# KiCad board aquarius-plus.kicad_pcb (continued)
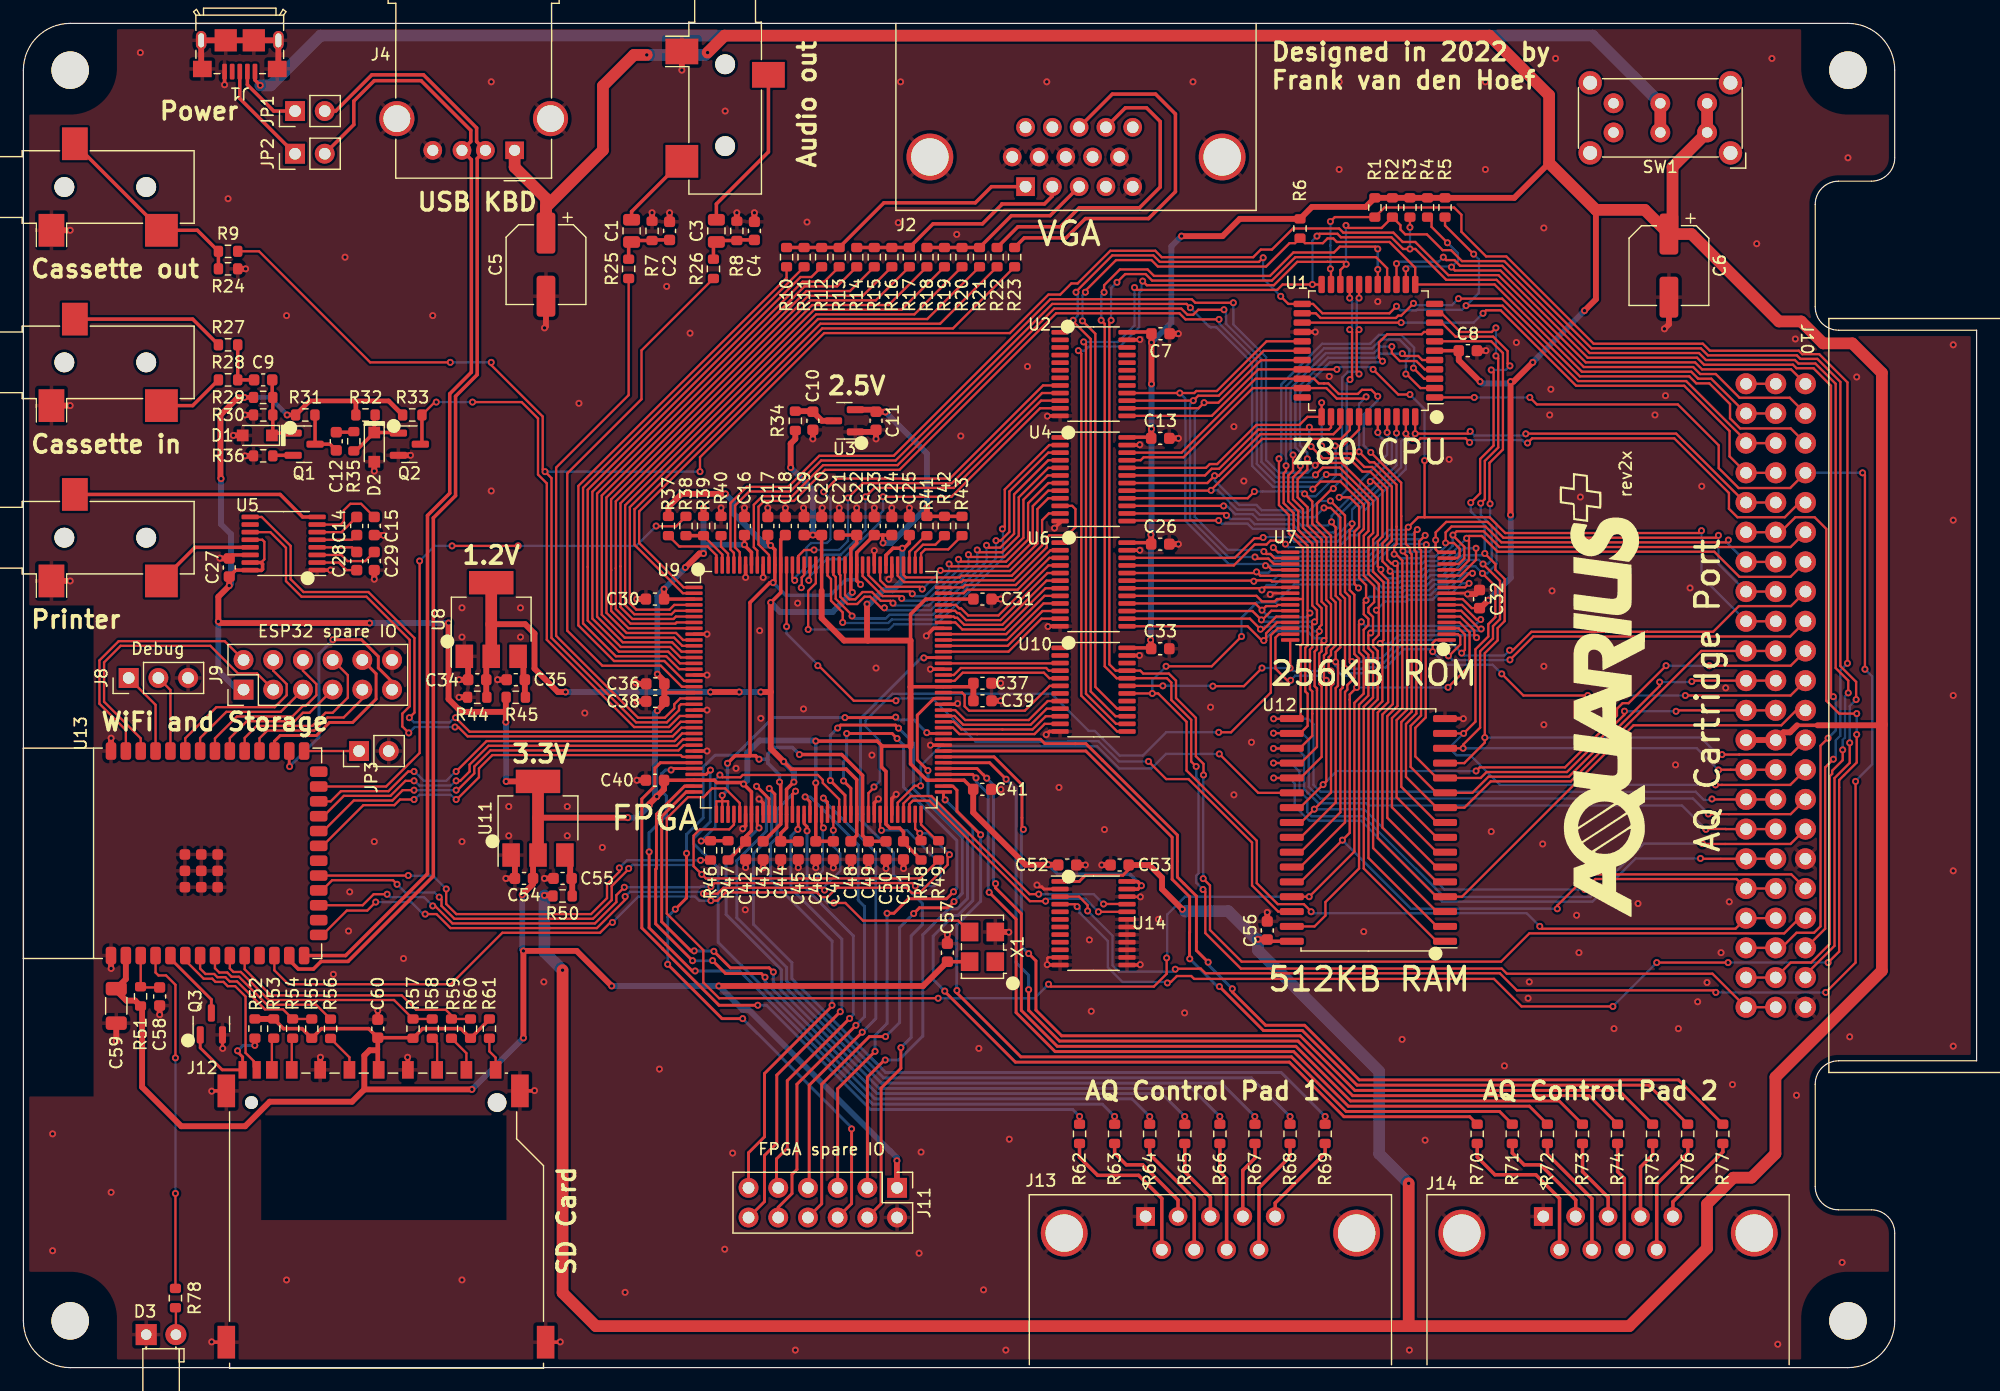
[diagram p0: board, top side]
## Routing (per net, layer and track width the routed paths; a pad name or vN(x,y) marks a point on that pad's centre or on a via; arc(x,y) is an arc through that point) (continued)
  Bottom w0.25: v1(72.82,27.06) 72.82,28.42 73.85,29.45 v1(73.85,38.87) ; v1(70.12,50.19) 70.12,51.84 70.39,52.11 v1(70.39,54.25) ; v1(79.53,40.71) 79.8,40.98 79.8,45.11 75.25,49.66 75.25,53.28 v1(74.7,53.82)
FPGA_EXP4: length 65.4
  Top w0.25: v1(79.57,39.87) 79.04,39.34 76.61,39.34 v1(76.12,38.84) ; U9.59 70.25,48.97 v1(68.99,50.23) ; v1(69.62,54.72) 69.87,54.97 74.57,54.97 v1(74.83,54.7) ; J11.8 68.25,14.01 68.25,24.24 72.33,28.32 v1(73.71,28.32)
  Bottom w0.25: v1(76.12,38.84) 74.92,37.64 74.92,29.53 v1(73.71,28.32) ; v1(68.99,50.23) 68.99,54.09 v1(69.62,54.72) ; v1(79.57,39.87) 80.28,40.57 80.28,45.37 76.89,48.76 76.85,48.76 76.09,49.52 76.09,50.03 76.09,50.04 76.09,53.44 v1(74.83,54.7)
FPGA_EXP5: length 39.1
  Top w0.25: v1(68.4,48.73) 68.75,48.38 U9.56 ; v1(71.72,28.69) 67.19,24.16 67.19,15.49 J11.7
  Bottom w0.25: v1(71.72,28.69) 72.88,29.85 72.88,44.07 68.4,48.55 v1(68.4,48.73)
FPGA_EXP6: length 43.1
  Top w0.25: J11.10 64.54,13.72 65.72,14.89 65.72,16.53 66.14,16.95 66.14,24.24 v1(71.18,29.28) ; U9.53 67.25,48.41 v1(66.84,48.82)
  Bottom w0.25: v1(71.18,29.28) 71.92,30.02 71.92,39.45 71.38,40 71.38,44.73 67.28,48.82 v1(66.84,48.82)
FPGA_EXP7: length 36.5
  Top w0.25: v1(70.64,29.87) 65.31,24.55 65.31,18.78 64.39,17.86 64.39,15.53 J11.9 ; v1(67,45.92) 67,46.28 66.75,46.53 U9.52
  Bottom w0.25: v1(67,45.92) 67,40.89 70.96,36.94 70.96,30.19 v1(70.64,29.87)
FPGA_EXP8: length 39.9
  Top w0.25: U9.51 66.25,46.08 v1(66.21,46.05) ; J11.12 63.37,14.21 63.37,18.15 64.42,19.2 64.42,25.02 v1(69.84,30.45)
  Bottom w0.25: v1(69.84,30.45) 69.98,30.58 69.98,36.66 65.62,41.01 65.62,45.46 v1(66.21,46.05)
FPGA_EXP9: length 42
  Top w0.25: U9.50 65.75,49.05 v1(66.02,49.31) ; v1(69.14,31) 69.14,30.93 63.37,25.16 63.37,19.75 62,18.38 J11.11
  Bottom w0.25: v1(66.02,49.31) 64.42,47.72 64.42,45.35 63.88,44.8 63.88,42.51 63.87,42.51 63.87,41.75 69.14,36.49 v1(69.14,31)
FPGA_INT#: length 11
  Top w0.2: U10.8 87.58,57.03 85.96,55.4 80.52,55.4 79.67,56.25 U9.87
FPGA_IORQ#: length 10.3
  Top w0.2: U10.4 87.68,59.62 87.45,59.85 80.15,59.85 79.55,59.25 U9.93
FPGA_MREQ#: length 10
  Top w0.2: 88.61,60.25 U9.95
FPGA_PHI: length 24.1
  Top w0.2: v1(92.35,39.66) 94.34,39.66 U14.21 ; v1(86.81,40.5) 86.03,40.5 77.63,48.9 75.88,48.9 75.25,48.27 U9.69
  Bottom w0.2: v1(86.81,40.5) 86.81,40.51 91.51,40.51 v1(92.35,39.66)
FPGA_PROG#: length 50.6
  Top w0.2: R38.1 55.8,71.97 54.12,71.97 v1(54.1,72) ; U13.25 31.02,49.72 33.88,52.58 v1(33.88,69.01) ; v1(36.65,70.3) v1(42.3,70.3)
  Bottom w0.2: v1(33.88,69.01) 35.17,70.3 v1(36.65,70.3) ; v1(42.3,70.3) 52.4,70.3 v1(54.1,72)
FPGA_RD#: length 10.5
  Top w0.2: U9.92 79.62,58.75 80.32,59.45 87.25,59.45 87.72,58.97 U10.5
FPGA_RESET#: length 10.9
  Top w0.2: U9.86 79.6,55.75 80.35,55 86.12,55 87.49,56.38 U10.9
FPGA_WR#: length 12.1
  Top w0.2: U10.6 87.75,58.33 85.62,56.2 80.85,56.2 80.47,56.58 80.47,57.52 80.48,57.52 80.48,57.53 80.26,57.75 U9.90
HALT#: length 101.4
  Top w0.2: v1(121.4,95) 121.65,94.75 122.35,94.75 122.84,94.26 126.45,94.26 133.91,86.8 143.26,86.8 143.86,86.2 151.46,86.2 151.77,85.9 153.22,85.9 154.95,84.17 154.95,59.85 156.02,58.78 v1(156.02,57.72) ; J10.41 149.82,33.37 151.1,34.65 152.85,34.65 154.45,36.25 154.45,50.6 154.65,50.8 154.65,51.07 155.55,51.97 v1(155.55,52.85) ; U1.14 v1(117.4,94.45)
  Bottom w0.2: v1(155.55,52.85) 155.55,53.7 155.75,53.9 155.75,57.45 v1(156.02,57.72) ; v1(121.4,95) 121,94.6 117.55,94.6 v1(117.4,94.45)
HC1_D00: length 62.5
  Top w0.25: v1(62.79,31) 59.47,31 54.66,35.81 54.66,35.82 52.88,37.61 52.88,48.65 54,49.77 54,51.29 54.46,51.75 U9.31 ; v1(90.3,21.49) 90.3,20.83 R62.2
  Bottom w0.25: v1(62.79,31) 63.52,31 72.43,22.09 89.71,22.09 v1(90.3,21.49)
HC1_D01: length 61.5
  Top w0.25: v1(58.75,51.12) 58.38,50.75 U9.33 ; R64.2 96.3,20.83 v1(96.3,21.47)
  Bottom w0.25: v1(58.75,51.12) 58.72,51.1 58.72,46.71 57.33,45.31 57.33,44.79 58.09,44.03 58.16,44.03 59.41,42.78 59.41,36.39 61.41,34.38 61.41,34.38 72.81,22.99 94.79,22.99 v1(96.3,21.47)
HC1_D02: length 68.4
  Top w0.25: v1(64.12,33.84) 63.76,34.2 60.45,34.2 v1(59.04,35.62) ; U9.36 56.67,49.25 54.57,47.15 54.57,38.15 57.07,35.65 v1(57.35,35.65) ; R66.2 102.29,20.83 v1(102.29,21.48)
  Bottom w0.25: v1(64.12,33.84) 64.12,32.95 73.18,23.89 99.89,23.89 v1(102.29,21.48) ; v1(59.04,35.62) 59,35.65 v1(57.35,35.65)
HC1_D03: length 71.2
  Top w0.25: v1(108.3,21.48) 108.3,20.83 R68.2 ; v1(62.69,49.73) 62.7,49.73 63.75,48.68 U9.46
  Bottom w0.25: v1(62.69,49.73) 62.7,49.73 63.52,48.9 63.52,45.91 60.99,43.38 60.99,38.49 65.26,34.23 65.26,33.08 73.55,24.79 104.99,24.79 v1(108.3,21.48)
HC1_D04: length 71.9
  Top w0.25: v1(111.3,21.49) 111.3,20.83 R69.2 ; U9.47 64.25,49.06 v1(63.77,49.54)
  Bottom w0.25: v1(63.77,49.54) 63.97,49.34 63.97,45.54 62.42,43.98 62.42,37.93 65.71,34.64 65.71,33.27 73.74,25.24 107.55,25.24 v1(111.3,21.49)
HC1_D05: length 63.5
  Top w0.25: v1(105.29,21.48) 105.29,20.84 R67.2 ; v1(62.9,46.17) 62.75,46.32 U9.44
  Bottom w0.25: v1(62.9,46.17) 60.08,43.35 60.08,38.77 64.81,34.04 64.81,32.9 73.37,24.34 102.43,24.34 v1(105.29,21.48)
HC1_D06: length 66.6
  Top w0.25: v1(58.93,34.82) 60.04,33.71 63.1,33.71 v1(63.41,33.4) ; v1(57.21,34.81) 54.06,37.97 54.06,42.64 54.12,42.7 54.12,47.34 56.53,49.75 U9.35 ; R65.2 99.3,20.83 v1(99.3,21.48)
  Bottom w0.25: v1(58.93,34.82) 58.91,34.81 v1(57.21,34.81) ; v1(99.3,21.48) 97.34,23.44 72.99,23.44 63.41,33.02 v1(63.41,33.4)
HC1_D07: length 64.1
  Top w0.25: v1(53.5,44.12) 53.5,37.62 57.19,33.93 v1(57.43,33.93) ; v1(55.38,51.13) 55.5,51.25 U9.32 ; v1(93.3,21.49) 93.3,20.83 R63.2
  Bottom w0.25: v1(53.5,44.12) 53.5,45.77 54.97,47.24 54.97,48.91 54.58,49.31 54.58,50.82 54.89,51.13 v1(55.38,51.13) ; v1(57.43,33.93) 61.23,33.93 72.62,22.54 92.25,22.54 v1(93.3,21.49)
HC2_D00: length 70.4
  Top w0.25: R70.2 123.66,21.46 112.91,21.46 108.24,26.14 84.81,26.14 78.78,32.17 v1(78.78,32.21) ; U9.73 78.66,48.72 v1(78.81,48.57)
  Bottom w0.25: v1(78.81,48.57) 81.18,46.2 81.18,39.95 79.89,38.67 79.54,38.67 77.79,36.92 77.79,33.2 v1(78.78,32.21)
HC2_D01: length 73.8
  Top w0.25: v1(82.57,40.66) 84.88,38.36 84.88,30.37 88.21,27.04 108.61,27.04 113.28,22.36 128.76,22.36 R72.2 ; U9.76 81.15,50.75 v1(81.45,50.45)
  Bottom w0.25: v1(81.45,50.45) 81.45,50.13 82.5,49.09 82.5,40.74 v1(82.57,40.66)
HC2_D02: length 80.9
  Top w0.25: v1(84.02,50.34) 82.61,51.75 U9.78 ; R74.2 133.86,23.26 113.65,23.26 108.98,27.94 88.58,27.94 85.95,30.57 v1(85.95,32.34)
  Bottom w0.25: v1(85.95,32.34) 85.95,33.58 84.85,34.68 84.88,34.71 84.88,49.49 v1(84.02,50.34)
HC2_D03: length 82.1
  Top w0.25: R76.2 138.96,24.16 114.03,24.16 109.35,28.84 106.02,28.84 v1(102.26,32.6) ; U9.80 90.84,52.75 98.22,45.37 98.22,41.78 99.71,40.28 99.71,37.23 99.7,37.21 99.7,35 v1(99.72,34.97)
  Bottom w0.25: v1(102.26,32.6) 102.1,32.6 v1(99.72,34.97)
HC2_D04: length 85.4
  Top w0.25: v1(101.3,34.68) 100.29,35.69 100.29,40.34 98.67,41.96 98.67,45.56 90.84,53.38 87.33,53.38 86.97,53.75 U9.82 ; R77.2 141.51,24.61 114.21,24.61 109.54,29.29 106.21,29.29 103.36,32.13 v1(103.36,32.41)
  Bottom w0.25: v1(103.36,32.41) 101.3,34.48 v1(101.3,34.68)
HC2_D05: length 84.4
  Top w0.25: R75.2 136.41,23.71 113.84,23.71 109.17,28.39 88.77,28.39 86.57,30.58 86.57,34.8 v1(85.95,35.42) ; U9.79 83,52.25 85.38,49.87 85.38,46.16 v1(85.5,46.04)
  Bottom w0.25: v1(85.5,46.04) 85.32,45.87 85.32,36.05 v1(85.95,35.42)
HC2_D06: length 77.1
  Top w0.25: v1(82.37,50.43) 82.08,50.72 82.07,50.72 81.54,51.25 U9.77 ; R73.2 131.31,22.81 113.47,22.81 108.8,27.49 88.4,27.49 85.32,30.56 85.32,38.84 83.12,41.04 v1(83.12,41.4)
  Bottom w0.25: v1(82.37,50.43) 82.95,49.85 82.95,49.72 82.95,49.72 82.95,41.58 v1(83.12,41.4)
HC2_D07: length 72.5
  Top w0.25: U9.74 79.47,49.75 79.82,49.4 79.82,47.61 v1(81.85,45.58) ; R71.2 126.21,21.91 113.09,21.91 108.42,26.59 85.29,26.59 79.81,32.06 v1(79.81,32.27)
  Bottom w0.25: v1(81.85,45.58) 81.85,39.9 80.38,38.44 80.37,38.44 79.8,37.86 79.8,32.29 v1(79.81,32.27)
INT#: length 106.7
  Top w0.2: v1(90.8,92) 90.8,92.13 93.42,94.75 96.44,94.75 97,94.2 106.25,94.2 108.25,96.2 108.72,96.2 R6.2 109.58,96.2 111.1,96.2 111.5,96.6 112,96.6 112.3,96.3 116.8,96.3 119,94.1 U1.12 125.79,92.66 133.25,85.2 142.6,85.2 143.2,84.6 144.31,84.6 J10.3 149.82,81.63 ; v1(90.55,89.55) 91.65,88.45 91.65,58.23 93.51,56.38 U10.16
  Bottom w0.2: v1(90.55,89.55) 90.55,91.75 v1(90.8,92)
IORQ#: length 141.6
  Top w0.2: v1(100.27,51.43) 99.85,51.85 99.85,55.42 98.15,57.12 98.15,58.6 97.78,58.97 U10.20 93.47,58.97 92.45,60 92.45,89.3 v1(92.15,89.6) ; v1(115.8,95.7) 115.6,95.9 112.55,95.9 112.05,95.4 108.58,95.4 106.58,93.4 96.67,93.4 96.11,93.95 93.75,93.95 92.4,92.6 v1(92.4,92) ; v1(115.8,93.95) U1.16 ; v1(100.85,40.91) 101.05,40.71 101.05,37.18 104.09,34.14 126.4,34.14 126.83,33.7 144.42,33.7 J10.43 149.82,30.83
  Bottom w0.2: v1(92.4,92) 92.15,91.75 v1(92.15,89.6) ; v1(100.27,51.43) 100.27,50.48 100.47,50.28 100.47,42.28 100.27,42.08 100.27,41.49 v1(100.85,40.91) ; v1(115.8,95.7) v1(115.8,93.95)
M1#: length 49.8
  Top w0.2: v1(118.85,91.05) 117.8,90 117.55,90 117.35,89.8 110.9,89.8 110.5,90.2 U1.24 ; J10.6 151.1,80.35 146.78,80.35 145.92,81.21 145.92,82.43 144.15,84.2 143.03,84.2 142.44,84.8 133.09,84.8 126.43,91.45 v1(122.7,91.45)
  Bottom w0.2: v1(122.7,91.45) 122.15,90.9 119,90.9 v1(118.85,91.05)
MREQ#: length 141.1
  Top w0.2: v1(93,89.6) 92.85,89.45 92.85,60.16 93.39,59.62 U10.21 95.5,59.62 95.75,59.37 97.94,59.37 98.55,58.77 98.55,57.28 100.25,55.58 100.25,52.3 100.9,51.65 v1(100.9,50.7) ; 151.85,38.45 150.55,37.15 128.76,37.15 126.34,34.73 104.16,34.73 101.45,37.44 101.45,41.25 v1(100.87,41.83) ; U1.15 116.6,94.05 115.65,95 108.75,95 106.75,93 96.5,93 95.95,93.55 94.2,93.55 v1(93.5,92.85)
  Bottom w0.2: v1(93.5,92.85) 93,92.35 v1(93,89.6) ; v1(100.87,41.83) 100.87,50.67 v1(100.9,50.7)
NMI#: length 101.1
  Top w0.2: U1.13 v1(118.2,94) ; 149.82,35.91 J10.39 ; v1(154.75,57.4) 154.55,57.6 154.55,84 153.05,85.5 151.6,85.5 151.3,85.8 143.69,85.8 143.1,86.4 133.75,86.4 126.28,93.86 122.39,93.86 v1(122.1,94.15) ; v1(154.3,53.85) 153.65,53.2 153.65,37.75 153.1,37.2 151.6,37.2 150.31,35.91 ; v1(121.76,96.23) 120.4,97.59 120.4,98.15 120.12,98.42
  Bottom w0.2: v1(154.75,57.4) 154.95,57.2 154.95,54.5 v1(154.3,53.85) ; v1(121.76,96.23) 122.65,95.34 122.65,94.7 v1(122.1,94.15) 122.05,94.2 118.4,94.2 v1(118.2,94)
PHI: length 158.8
  Top w0.2: v1(157.45,59.75) 157.45,76.35 v1(157.25,76.55) ; v1(128.8,83) 129.4,82.4 141.45,82.4 144.95,78.9 144.95,76.95 146.65,75.25 151.06,75.25 J10.8 ; v1(90.99,39.07) 90.99,39.56 90.26,40.29 U14.3 ; v1(98.49,34.08) 98.53,34.13 100.67,34.13 101.06,33.74 126.23,33.74 127.69,32.28 144.53,32.28 v1(144.7,32.1) ; v1(156.65,50.15) 156.65,34.65 v1(154.1,32.1) ; U1.1 v1(124.05,83)
  Bottom w0.2: v1(154.1,32.1) v1(144.7,32.1) ; v1(124.05,83) v1(128.8,83) ; v1(90.99,39.07) 93.12,36.94 93.12,34.41 93.66,33.88 98.28,33.88 v1(98.49,34.08) ; J10.8 v1(157.25,76.55) ; v1(156.65,50.15) 156.65,50.2 158.07,51.62 158.07,59.12 v1(157.45,59.75)
PRINTER_IN: length 52.5
  Top w0.2: v1(36.95,55.6) 38.15,54.4 55.35,54.4 56.2,55.25 U9.24 ; U5.9 20.38,72.78 22.85,70.3 22.85,67.45 23.95,66.35 29.5,66.35 33.44,62.41 33.44,56.04 v1(33,55.6)
  Bottom w0.2: v1(36.95,55.6) 36.85,55.6 36.45,55.2 33.4,55.2 v1(33,55.6)
PRINTER_OUT: length 52.8
  Top w0.2: v1(32.95,54.3) 32.4,54.85 32.4,55.95 33.03,56.58 33.03,62.26 29.33,65.95 23.78,65.95 22.45,67.28 22.45,70.13 21.11,71.47 U5.11 ; v1(36.9,54.8) 37.18,54.8 37.98,54 55.51,54 56.26,54.75 U9.25
  Bottom w0.2: v1(36.9,54.8) 33.45,54.8 v1(32.95,54.3)
RAM_CE#: length 40.4
  Top w0.2: v1(102.25,52.5) 105.57,49.17 U12.22 ; U9.68 74.75,48.33 76.2,49.78 v1(76.71,49.78)
  Bottom w0.2: v1(102.25,52.5) 97.68,52.5 96.44,51.26 93.69,51.26 91.8,53.15 78.39,53.15 76.71,51.47 v1(76.71,49.78)
RAM_ROM_WE#: length 124.4
  Top w0.2: U9.41 61.25,48.3 60,49.55 58.88,49.55 58.45,49.13 58.45,49.1 58.16,48.8 56.82,48.8 55.01,46.99 55.01,38.84 58.13,35.72 58.13,32.95 59.49,31.6 v1(78.21,31.6) ; v1(114.39,63.8) 114.19,63.6 114.19,61.21 114.59,60.81 114.59,57.66 113.8,56.87 113.8,44.15 v1(109.94,40.28) U12.29 ; v1(124.6,64) 124.25,64 123,65.25 U7.7 ; v1(97.75,35.05) 97.75,33.69 96.65,32.6 87.85,32.6 v1(87.65,32.8)
  Bottom w0.2: v1(97.75,35.05) 97.8,35.1 97.8,38.77 99.32,40.28 v1(109.94,40.28) ; v1(78.21,31.6) 86.45,31.6 v1(87.65,32.8) ; v1(124.6,64) 124.05,63.45 114.74,63.45 v1(114.39,63.8)
RD#: length 114.6
  Top w0.2: v1(112,75.2) 111.89,75.2 110.6,73.91 110.6,72.37 111.8,71.17 111.8,65.86 112.2,65.46 112.2,61.79 111.8,61.39 111.8,60.96 111.6,60.76 111.6,59.8 v1(111.8,59.6) 112,59.4 112,58.5 111.8,58.3 111.8,49.2 v1(110.38,47.78) 109.24,46.64 ; v1(133.5,40.9) 134.4,41.8 146.47,41.8 J10.35 149.82,40.99 ; U10.19 v1(97.43,58.33) ; U7.32 108.31,59.86 v1(108.3,59.85) ; U1.18 v1(114.2,91.5) ; v1(114.2,88.8) 114,88.6 114,85.2 v1(114.2,85) ; v1(101.7,58.3) 104.35,58.3 v1(105.9,59.85)
  Bottom w0.2: v1(101.7,58.3) 101.68,58.33 v1(97.43,58.33) ; v1(133.5,40.9) 121.5,40.9 114.62,47.78 v1(110.38,47.78) ; v1(105.9,59.85) v1(108.3,59.85) 108.55,59.6 v1(111.8,59.6) ; v1(114.2,91.5) 114,91.3 114,89 v1(114.2,88.8) ; v1(112,75.2) 112,75.28 112.75,76.03 112.75,84.7 113.25,85.2 114,85.2 v1(114.2,85)
RESET#: length 118.1
  Top w0.2: v1(117.4,90.8) 116.8,90.2 111.07,90.2 110.27,91 U1.23 108.15,91 v1(107.5,91.65) ; 149.82,79.09 J10.5 ; 147.28,79.28 142.17,84.4 132.92,84.4 126.47,90.85 v1(123.35,90.85) ; v1(106,94.95) 105.65,94.6 97.16,94.6 96.61,95.15 93.1,95.15 90,92.05 v1(90,92) ; U10.15 93.38,55.72 91.25,57.85 91.25,88 89.75,89.5 v1(89.75,89.6) ; v1(124,95.26) 121.55,97.71 R5.2
  Bottom w0.2: v1(117.4,90.8) 117.75,90.45 119.1,90.45 119.15,90.5 123,90.5 v1(123.35,90.85) 124.45,91.95 124.45,94.81 v1(124,95.26) ; v1(107.5,91.65) 106,93.15 v1(106,94.95) ; v1(90,92) 90.15,91.85 90.15,90 v1(89.75,89.6)
RFSH#: length 47.9
  Top w0.2: 149.82,76.55 J10.7 145.88,77.96 145.88,80.12 142,84 132.75,84 126.3,90.45 125.05,90.45 v1(124.8,90.2) ; v1(117.8,89.4) U1.25
  Bottom w0.2: v1(124.8,90.2) 124,89.4 v1(117.8,89.4)
ROM_CE#: length 55.7
  Top w0.2: U9.63 72.25,49.15 72.73,49.63 v1(72.73,49.67) ; v1(102.2,54.35) 103.25,54.35 106.65,57.75 106.65,62.65 107.25,63.25 U7.30
  Bottom w0.2: v1(102.2,54.35) 97.7,54.35 95.71,52.36 93.72,52.36 91.61,54.47 91.08,54.47 87.9,57.65 74.3,57.65 72,55.35 72,54.85 73.21,53.64 73.21,50.16 v1(72.73,49.67)
SD_ACTIVITY: length 29.6
  Top w0.2: U13.4 11.3,33.8 11.55,33.55 12.2,33.55 13,32.75 v1(13,26.5) ; v1(13,14.9) 13,6.78
  Bottom w0.2: v1(13,26.5) v1(13,14.9)
SD_CD#: length 13.2
  Top w0.2: U13.6 13.84,34.84 15.41,33.28 16.14,33.28 16.42,33 17.1,33 17.47,32.64 18.1,32.64 18.99,31.75 18.99,26.93 19.7,26.22 19.7,25.72
SD_MISO: length 12.4
  Top w0.2: R55.1 23.03,29.82 22.2,30.65 20.65,30.65 18.27,33.04 17.63,33.04 17.27,33.4 16.58,33.4 16.31,33.67 15.58,33.67 15.11,34.14 U13.7
SD_MOSI: length 20.2
  Top w0.2: R58.1 R57.1 31.69,31.45 20.99,31.45 18.58,33.85 17.95,33.85 17.65,34.15 U13.9
SD_SCK: length 12.8
  Top w0.2: R56.1 25.02,31.05 20.82,31.05 18.43,33.43 17.8,33.43 17.43,33.8 16.75,33.8 16.38,34.17 U13.8
SD_SSEL#: length 22.4
  Top w0.2: R60.1 R59.1 36.6,30.13 36.11,30.62 33.58,30.62 32.35,31.85 21.15,31.85 18.92,34.08 U13.10
SD_WP#: length 6.4
  Top w0.25: U13.5 12.57,34.99 16.07,31.49 Q3.3
SPI_CS#: length 38.4
  Top w0.2: v1(32.91,42.1) 32.9,42.09 U13.19 ; v1(36.15,40.95) 36.15,39.67 37.02,38.8 48.53,38.8 49.9,40.17 49.9,41.37 50.95,42.42 v1(50.95,42.75) ; v1(57.9,43.4) 57.92,43.42 R46.1
  Bottom w0.2: v1(36.15,40.95) 35.02,42.08 32.93,42.08 v1(32.91,42.1) ; v1(57.9,43.4) 51.6,43.4 v1(50.95,42.75)
SPI_MISO: length 54.1
  Top w0.2: v1(51.45,40.3) 51.45,40.02 49.03,37.6 36.52,37.6 35.32,38.8 v1(34.35,38.8) ; U9.57 v1(69.25,45.97) ; v1(30.12,39.83) 29.4,39.1 27.65,39.1 25.56,37.02 ; v1(58.15,40.55) 59.35,40.55 59.85,41.05 68.3,41.05 v1(68.5,40.85)
  Bottom w0.2: v1(58.15,40.55) 58,40.7 51.85,40.7 v1(51.45,40.3) ; v1(30.12,39.83) 33.16,39.83 34.18,38.8 v1(34.35,38.8) ; v1(68.5,40.85) 68.5,41.16 69.85,42.51 69.85,43.98 69.25,44.58 69.25,45.13 69.25,45.13 v1(69.25,45.97)
SPI_MOSI: length 65.7
  Top w0.2: v1(35,39.5) 35.18,39.5 36.68,38 48.87,38 50.7,39.83 50.7,40.42 v1(51.38,41.1) ; v1(31.1,40.5) 29.95,40.5 29,39.56 U13.17 ; U9.65 73.25,46.08 v1(73.37,45.96) ; v1(76.26,41.2) 76.01,41.45 59.08,41.45 v1(58.78,41.15)
  Bottom w0.2: v1(76.26,41.2) 77.91,41.2 78.41,41.7 78.41,43.1 76.04,45.46 76.04,45.48 75.56,45.96 v1(73.37,45.96) ; v1(51.38,41.1) 51.38,41.1 57.85,41.1 57.9,41.15 v1(58.78,41.15) ; v1(35,39.5) 34.25,40.25 31.35,40.25 v1(31.1,40.5)
SPI_SCLK: length 66.9
  Top w0.2: U9.40 60.75,46.45 60.35,46.05 57.84,46.05 57.3,45.51 57.3,42.9 v1(58,42.2) 58.35,41.85 76.68,41.85 R49.1 ; v1(35.55,40.25) 35.75,40.05 35.75,39.5 36.85,38.4 48.7,38.4 50.3,40 50.3,41.2 51.75,42.65 v1(51.75,42.7) ; 25.53,40.83 26.4,41.7 31.6,41.7 v1(31.95,41.35)
  Bottom w0.2: v1(35.55,40.25) 35.15,40.65 32.65,40.65 v1(31.95,41.35) ; v1(58,42.2) 57.2,43 52.05,43 v1(51.75,42.7)
SYSCLK: length 21.4
  Top w0.2: X1.3 79.93,38.24 71.79,38.24 70.28,39.75 v1(69.3,39.75) ; U9.55 68.25,46.32 v1(68.4,46.17)
  Bottom w0.2: v1(68.4,46.17) 68.35,46.12 68.35,42.52 68,42.17 67.9,42.17 67.9,40.6 68.75,39.75 v1(69.3,39.75)
VGA_B0: length 52.5
  Top w0.2: R21.1 77.28,89.7 67.94,89.7 51.85,73.62 51.85,65.4 52.4,64.85 55.25,64.85 55.65,65.25 U9.4
VGA_B1: length 52.1
  Top w0.2: U9.5 55.72,64.75 55.41,64.45 52.24,64.45 51.45,65.23 51.45,73.78 67.77,90.1 76.18,90.1 R20.1
VGA_B2: length 51.7
  Top w0.2: U9.6 55.78,64.25 55.58,64.05 52.07,64.05 51.05,65.07 51.05,68.55 51.05,73.95 67.61,90.5 75.08,90.5 R19.1
VGA_B3: length 51.4
  Top w0.2: R18.1 73.98,90.9 67.44,90.9 50.65,74.11 50.65,68.38 50.65,68.38 50.65,64.9 51.91,63.65 55.75,63.65 55.85,63.75 U9.7
VGA_G0: length 51
  Top w0.2: R17.1 72.88,91.3 67.28,91.3 50.25,74.28 50.25,68.22 50.25,68.22 50.25,64.74 51.74,63.25 U9.8
VGA_G1: length 50.9
  Top w0.2: U9.10 56.4,62.25 55.8,62.85 51.57,62.85 49.85,64.57 49.85,74.44 67.11,91.7 71.78,91.7 R16.1
VGA_G2: length 50.6
  Top w0.2: U9.11 56.33,61.75 55.63,62.45 51.41,62.45 49.45,64.41 49.45,74.61 66.95,92.1 70.68,92.1 R15.1
VGA_G3: length 53
  Top w0.2: 63.91,89.64 65.86,91.59 ; 63.91,89.64 49.05,74.77 49.05,64.24 51.24,62.05 55.47,62.05 56.27,61.25 U9.12 ; 63.91,89.64 65.86,91.59 ; 65.86,91.59 66.78,92.5 69.58,92.5 R14.1
VGA_HSYNC: length 49.7
  Top w0.2: R23.1 79.48,88.91 68.3,88.91 52.65,73.25 52.65,70.55 56.45,66.75 U9.1
VGA_R0: length 50
  Top w0.2: R13.1 68.48,92.9 66.62,92.9 48.65,74.94 48.65,64.08 51.08,61.65 55.3,61.65 56.2,60.75 U9.13
VGA_R1: length 49.7
  Top w0.2: U9.14 56.13,60.25 55.13,61.25 50.91,61.25 48.25,63.92 48.25,68.5 48.25,75.1 66.45,93.3 67.38,93.3 R12.1
VGA_R2: length 49.4
  Top w0.2: 66.75,94.17 47.85,75.27 47.85,63.67 50.66,60.85 54.97,60.85 56.07,59.75 U9.15
VGA_R3: length 49.9
  Top w0.2: U9.17 56.5,58.75 54.8,60.45 50.5,60.45 47.45,63.5 47.45,75.43 65.25,93.23 R10.1
VGA_VSYNC: length 49.4
  Top w0.2: U9.2 56.38,66.25 52.25,70.38 52.25,73.45 52.28,73.45 68.14,89.3 78.38,89.3 R22.1
WAIT#: length 107
  Top w0.2: v1(154.75,52.05) 154.05,51.35 154.05,37.55 152.41,35.91 ; U1.21 111.8,93.95 v1(111.75,94) ; v1(111.75,98.05) 112.13,98.42 R1.2 116.38,99.25 122.32,99.25 122.95,98.62 122.95,97.17 125.07,95.06 126.79,95.06 134.25,87.6 143.59,87.6 144.19,87 151.8,87 152.1,86.7 153.55,86.7 155.96,84.29 v1(155.96,60.26)
  Bottom w0.2: v1(111.75,98.05) v1(111.75,94) ; v1(154.75,52.05) 154.95,52.25 154.95,53.66 155.35,54.06 155.35,59.65 v1(155.96,60.26)
WR#: length 120.2
  Top w0.2: v1(97.7,60) 101.6,60 v1(104.15,62.55) ; U10.18 v1(96.53,57.67) 97.03,57.67 99.45,55.25 99.45,51.08 105.45,45.08 105.45,41.45 107.25,39.65 109.48,39.65 110.1,39.03 v1(110.1,39) ; v1(114.15,66.7) 113.79,67.06 113.79,71.49 114.2,71.9 114.2,73.65 113.4,74.45 v1(112.5,74.45) ; v1(113.4,88.8) 113.6,88.6 113.6,84.7 v1(113.42,84.53) ; U1.19 v1(113.4,91.5) ; v1(129.65,37.75) 129.85,37.55 146.38,37.55 J10.37 149.82,38.45
  Bottom w0.2: v1(114.15,66.7) 113.85,67 108.65,67 107.1,65.45 105.45,65.45 104.15,64.15 v1(104.15,62.55) ; v1(113.4,91.5) 113.6,91.3 113.6,89 v1(113.4,88.8) ; v1(113.42,84.53) 113.15,84.25 113.15,75.1 v1(112.5,74.45) ; v1(129.65,37.75) 128.53,38.87 110.23,38.87 v1(110.1,39) ; v1(97.7,60) 96.53,58.83 v1(96.53,57.67)
Net-(C1-Pad1): length 4.3
  Top w0.3: R25.2 51.75,96.05 ; C2.1 53.8,96.47 ; 52.12,96.42 R7.2
Net-(C1-Pad2): length 6.8
  Top w0.3: J3.T 52,98.9 C1.2
Net-(C3-Pad1): length 4.3
  Top w0.3: 61.05,96.47 C4.1 ; 59.38,96.42 R8.2 ; R26.2 59,96.05
Net-(C3-Pad2): length 14.2
  Top w0.3: J3.R 63.7,104 59.25,99.55 C3.2
Net-(C9-Pad1): length 4.4
  Top w0.3: C9.1 R28.2 R27.2
Net-(C12-Pad2): length 1.5
  Top w0.3: C12.2 28.2,80.03
Net-(D1-K): length 6.2
  Top w0.3: 21.33,79.83 R30.2 R29.1 ; C9.2 21.28,83.05 ; Q1.1 21.45,79.95
Net-(D2-K): length 5.7
  Top w0.3: 28.42,78.42 D2.1 ; D2.1 30,81.42 ; D2.1 32.01,80
Net-(D3-A): length 2.3
  Top w0.2: D3.2 13.04,5.09
Net-(J1-D+): length 9
  Top w0.3: JP2.1 18.5,108.58 J1.3
Net-(J1-D-): length 6.1
  Top w0.3: JP1.1 21.4,107.5 19.15,109.75 J1.2
Net-(J2-Pad1): length 22.6
  Top w0.3: R10.2 R13.2 73.57,99.65 81.39,99.65 82.77,101.03 J2.1
Net-(J2-Pad2): length 19.4
  Top w0.3: J2.2 87.97,100.22 87.3,99.55 83.65,99.55 83.65,99.5 82,97.85 77.78,97.85 R17.2 R14.2
Net-(J2-Pad3): length 15.2
  Top w0.3: R18.2 R21.2 84.47,98.55 87.78,98.55 J2.3
Net-(J2-Pad13): length 32.5
  Top w0.3: J2.13 93.1,108.95 96.8,108.95 98.5,107.25 98.5,100.6 96.2,98.3 90.8,98.3 89.15,96.65 85.57,96.65 R23.2
Net-(J2-Pad14): length 27.5
  Top w0.3: R22.2 85.03,97.6 88.65,97.6 90.28,99.22 95.43,99.22 97.2,101 97.2,106.6 96.02,107.78 94.22,107.78 J2.14
Net-(J5-PadR): length 17.6
  Top w0.3: J5.R J5.T 14.88,97.3 R9.2 R24.2
Net-(J6-PadR): length 13.2
  Top w0.3: J6.R 14.47,89.7 R27.1
Net-(J6-PadT): length 5.8
  Top w0.3: J6.T 14.47,82.3 R28.1
Net-(J8-Pin_1): length 7.2
  Top w0.2: U13.37 11.3,56.7 J8.1
Net-(J8-Pin_2): length 6.7
  Top w0.2: J8.2 12.57,57.97 U13.36
Net-(J12-CD/DAT3): length 3.2
  Top w0.2: R59.2 37.88,26.9 J12.1
Net-(J12-CLK): length 3.4
  Top w0.2: R56.2 27.88,26.55 J12.5
Net-(J12-CMD): length 2.9
  Top w0.2: J12.2 35.38,27.76 R58.2
Net-(J12-DAT0): length 2.7
  Top w0.2: R54.2 22.94,28.1 J12.7
Net-(J12-DAT1): length 2.8
  Top w0.2: R53.1 21.25,28.02 J12.8
Net-(J12-DAT2): length 2.9
  Top w0.2: J12.9 40.38,26.53 39.84,27.06 R61.1
Net-(J12-WRITE_PROTECT): length 9.6
  Top w0.25: v1(19.79,27.57) 19.8,27.58 R52.2 ; Q3.1 15.12,27.35 17,25.47 J12.11 18.75,26.57 18.31,27.01 v1(18.31,27.11)
  Bottom w0.25: v1(19.79,27.57) 18.77,27.57 v1(18.31,27.11)
Net-(J13-Pad2): length 9.3
  Top w0.3: J13.2 98.72,14.33 95.7,17.35 94.3,17.35 93.3,18.35 R63.1
Net-(J13-Pad3): length 7.2
  Top w0.3: J13.3 101.49,14.56 99.3,16.75 R65.1
Net-(J13-Pad4): length 6.7
  Top w0.3: R67.1 105.3,17.92 104.26,16.88 J13.4
Net-(J13-Pad5): length 8
  Top w0.3: J13.5 107.03,14.08 111.3,18.35 R69.1
Net-(J13-Pad6): length 14
  Top w0.3: R62.1 90.3,18 91.85,16.45 95.35,16.45 97.34,14.47 97.34,10.09
Net-(J13-Pad7): length 10.7
  Top w0.3: R64.1 96.3,18.25 100.1,14.44 J13.7
Net-(J13-Pad8): length 9.3
  Top w0.3: R66.1 102.3,16.75 102.88,16.18 J13.8
Net-(J13-Pad9): length 10.2
  Top w0.3: R68.1 108.3,18.05 105.65,15.4 J13.9
Net-(J14-Pad2): length 9.3
  Top w0.3: 132.72,12.94 132.72,14.34 129.71,17.35 128.31,17.35 127.31,18.36 127.31,19.18
Net-(J14-Pad3): length 7.2
  Top w0.3: 135.5,12.94 135.5,14.57 133.31,16.76 133.31,19.18
Net-(J14-Pad4): length 6.7
  Top w0.3: 138.26,12.94 138.26,17.16 139.31,18.21 139.31,19.18
Net-(J14-Pad5): length 8
  Top w0.3: 145.31,19.18 145.31,18.46 141.03,14.19 141.03,12.94
Net-(J14-Pad6): length 14
  Top w0.3: 124.31,19.18 124.31,18.01 125.81,16.5 129.31,16.5 131.34,14.47 131.34,10.1
Net-(J14-Pad7): length 10.7
  Top w0.3: 134.11,10.1 134.11,14.45 130.31,18.26 130.31,19.18
Net-(J14-Pad8): length 9.3
  Top w0.3: 136.31,19.18 136.31,16.76 136.88,16.18 136.88,10.1
Net-(J14-Pad9): length 10.2
  Top w0.3: 142.31,19.18 142.31,18.35 139.65,15.7 139.65,10.1
Net-(JP3-A): length 4.7
  Top w0.2: JP3.1 U13.27
Net-(Q1-C): length 4.5
  Top w0.3: C12.1 26.22,79 Q1.3 24.94,81.49
Net-(Q1-E): length 1.7
  Top w0.3: Q1.2 21.38,78.05
Net-(U3-VI): length 3.5
  Top w0.5: C10.1 68.28,81 U3.3 ; R34.2 67.45,81.83
Net-(U5-C1+): length 3.7
  Top w0.2: C28.1 27.62,68.22 26.97,68.88 U5.2
Net-(U5-C1-): length 3.6
  Top w0.2: C28.2 28.1,70.17 U5.4
Net-(U5-C2+): length 3.6
  Top w0.2: C14.1 28.1,70.83 U5.5
Net-(U5-C2-): length 3.9
  Top w0.2: U5.6 27.2,71.47 C14.2
Net-(U5-DOUT): length 8.8
  Top w0.3: U5.13 14.67,70.17 J7.T
Net-(U5-RIN): length 21.5
  Top w0.3: U5.8 23.88,72.78 21.95,74.7 J7.R
Net-(U5-V+): length 5.4
  Top w0.2: C29.1 29.22,69 27.7,69 27.17,69.53 U5.3
Net-(U5-V-): length 6.6
  Top w0.2: U5.7 27.12,72.12 27.4,72.4 27.4,73.35 27.95,73.9 28.88,73.9 C15.1
Net-(U8-VI): length 2.9
  Top w0.5: 42.75,58.97 42.75,60.4 ; C35.1 42.88,57.4
Net-(U9-B4_IO_INIT_B): length 21.3
  Top w0.2: U9.58 69.75,48.62 68.35,50.02 68.35,50.27 67.92,50.7 61.5,50.7 61.3,50.5 59.75,50.5 v1(59.55,50.7)
  Top w0.3: v1(57.95,45.05) 57.97,45.08 R46.2 R47.1
  Bottom w0.2: v1(59.55,50.7) 59.15,50.3 59.15,46.25 v1(57.95,45.05)
